# Allegro board SG2042_EVB_V1_1.brd (continued)
## Copper pours and planes (outline as drawn; the poured copper is in the pictures) (continued)
GND on ART03 (solid shape): 156.13,77.52 156.13,75.71 156.16,75.58 156.23,75.47 161.99,69.71 161.99,68.78 162.02,68.65 162.09,68.54 183.85,46.78 183.96,46.7 184.09,46.68 194.35,46.68 194.35,43.92 194.35,43.92 194.35,43.7 194.35,43.65 194.35,42.16 186.8,42.16 160.82,68.14 160.82,69.09 160.79,69.22 160.72,69.32 154.47,75.57 154.47,76.65 154.45,76.76 154.39,76.86 154.34,76.92 154.28,76.95 154.25,76.97 154.25,77.65 156.01,77.65
GND on ART03 (solid shape): 268.09,150.41 268.17,150.35 268.17,150.25 268.13,150.16 268.11,150.06 268.21,149.83 268.44,149.73 268.52,149.74 268.6,149.65 268.62,149.54 268.53,149.48 260.15,149.48 259.64,149.99 259.65,150.06 259.63,150.16 259.59,150.25 259.59,150.35 259.68,150.41
GND on ART03 (solid shape): 232.43,212.55 232.46,212.54 232.48,212.52 232.48,212.51 232.48,212.49 232.47,212.46 231.41,211.4 227.02,211.4 226.99,211.41 226.97,211.43 226.97,211.45 226.97,211.47 226.98,211.49 227.51,212.02 228.03,212.02 228.03,211.97 228.03,211.91 228.05,211.87 228.07,211.82 228.1,211.78 228.14,211.74 228.18,211.71 228.23,211.69 228.28,211.67 228.33,211.66 228.36,211.66 228.96,211.66 228.98,211.66 229.04,211.67 229.09,211.69 229.13,211.71 229.17,211.74 229.21,211.78 229.24,211.82 229.26,211.87 229.28,211.91 229.29,211.97 229.29,212.02 229.28,212.07 229.26,212.12 229.24,212.16 229.21,212.21 229.17,212.24 229.13,212.27 229.09,212.3 229.04,212.31 228.98,212.32 228.96,212.32 228.36,212.32 228.33,212.32 228.28,212.31 228.23,212.3 228.18,212.27 228.14,212.24 228.1,212.21 228.07,212.16 228.05,212.12 228.03,212.07 228.03,212.02 227.51,212.02 228.04,212.55
GND on ART03 (solid shape): 253.59,231.62 253.65,231.58 253.72,231.57 255.12,231.57 255.21,231.51 255.19,231.4 255.12,231.29 255.09,231.17 255.1,231.09 254.94,230.94 253.62,230.94 252.7,231.85 252.65,231.89 252.58,231.9 242.88,231.9 242.78,231.96 242.8,232.08 242.9,232.31 242.8,232.54 242.78,232.65 242.88,232.71 252.5,232.71
GND on ART03 (solid shape): 228.34,194.51 228.33,194.44 228.35,194.31 228.42,194.2 228.45,194.09 228.35,194.03 226.29,194.03 225.75,194.56 225.7,194.6 225.63,194.62 222.77,194.62 222.65,194.73 222.5,194.77 222.26,194.67 222.16,194.44 222.2,194.3 222.28,194.18 222.31,194.07 222.22,194.01 213.65,194.01 213.55,194.07 213.58,194.18 213.67,194.3 213.7,194.44 213.69,194.51 214.08,194.89 227.95,194.89
GND on ART03 (solid shape): 212.46,218.49 212.55,218.43 212.53,218.32 212.25,218.03 211.03,218.03 211.02,218.07 210.9,218.26 210.69,218.34 210.46,218.24 210.36,218.01 210.37,217.94 210.39,217.87 210.39,217.81 210.28,217.81 210.15,217.94 210.16,218.01 209.83,218.34 209.5,218.01 209.52,217.88 209.59,217.78 209.62,217.66 209.52,217.6 201.9,217.6 201.83,217.59 201.77,217.55 200.36,216.14 200.25,216.11 200.18,216.2 200.11,216.38 199.94,216.49 199.9,216.5 199.9,216.59 200.27,216.59 200.34,216.6 200.4,216.64 202.25,218.49
GND on ART03 (solid shape): outline of 146 points within 213.65,185.46 228.45,187.22
GND on ART03 (solid shape): 113.29,217.72 113.31,217.61 113.21,217.55 105.05,217.55 104.99,217.54 104.93,217.5 104.68,217.25 104.59,217.22 104.52,217.28 104.39,217.42 104.22,217.48 101.93,217.48 101.82,217.46 101.72,217.4 95.95,217.4 95.86,217.45 95.86,217.54 95.88,217.61 95.89,217.68 95.79,217.91 95.55,218.01 94.69,218.01 94.46,217.91 94.36,217.68 94.37,217.61 94.39,217.54 94.38,217.45 94.3,217.4 93.12,217.4 92.61,217.91 92.53,217.96 92.43,217.98 83.2,217.98 83.1,217.96 83.02,217.91 82.56,217.45 82.54,217.45 82.34,217.34 82.26,217.12 82.27,217.03 82.31,216.94 82.31,216.84 82.22,216.79 80.6,216.79 80.5,216.85 80.52,216.96 81.92,218.36 93.98,218.36 94.05,218.38 94.11,218.42 94.2,218.51 94.3,218.53 94.37,218.46 94.49,218.28 94.69,218.21 95.55,218.21 95.79,218.31 95.89,218.54 95.87,218.66 95.81,218.75 95.79,218.86 95.88,218.92 112.09,218.92
GND on ART03 (solid shape): outline of 213 points within 216,173.74 228.18,180.14
GND on ART03 (solid shape): outline of 275 points within 244.85,212.24 279.88,217.3
GND on ART03 (solid shape): outline of 108 points within 224.93,212.24 283.73,222.07
GND on ART03 (solid shape): outline of 145 points within 168.88,215.42 211.05,223.09
GND on ART03 (solid shape): outline of 948 points within 256.67,138.46 277.8,152.53
GND on ART03 (solid shape): outline of 107139 points within 0.41,0.41 304.39,243.43
GND on GND04 (solid shape): outline of 228285 points within 0.41,0.41 304.39,243.43
GND on ART05 (solid shape): outline of 2949 points within 125.65,49.1 149.68,93.85
GND on ART05 (solid shape): outline of 116691 points within 0.41,0.41 304.39,243.43
GND on GND06 (solid shape): outline of 228009 points within 0.41,0.41 304.39,243.43
GND on PWR07 (solid shape): 48.82,170.2 48.88,170.29 48.99,170.27 52.44,166.83 59.13,166.83 59.13,157.71 48.99,147.57 48.88,147.55 48.82,147.64
GND on PWR07 (solid shape): outline of 92031 points within 0.41,0.41 304.39,243.43
GND on PWR08 (solid shape): 48.82,170.2 48.88,170.29 48.99,170.27 52.44,166.83 59.13,166.83 59.13,157.71 48.99,147.57 48.88,147.55 48.82,147.64
GND on PWR08 (solid shape): outline of 688 points within 121.33,107.51 125.18,125.35
GND on PWR08 (solid shape): outline of 718 points within 150.77,107.51 154.62,125.35
GND on PWR08 (solid shape): outline of 1070 points within 121.27,87.04 125.12,107.51
GND on PWR08 (solid shape): outline of 3518 points within 150.27,77.29 166.88,108.53
GND on PWR08 (solid shape): outline of 14079 points within 50.38,126.94 225.47,191.87
GND on PWR08 (solid shape): outline of 76057 points within 0.41,0.41 304.39,243.43
GND on GND09 (solid shape): outline of 228327 points within 0.41,0.41 304.39,243.43
GND on ART10 (solid shape): 243.86,125.45 243.8,125.36 243.69,125.38 243.05,126.02 243.05,193.23 243.53,193.71 243.86,193.71
GND on ART10 (solid shape): 58.57,83.78 58.64,83.87 58.75,83.85 59.77,82.83 59.77,79.22 59.23,78.69 59.2,78.63 59.18,78.56 59.18,76.32 58.99,76.13 58.57,76.13
GND on ART10 (solid shape): 132.18,139.36 132.18,138.71 132.11,138.62 132,138.64 117.82,152.82 117.8,152.93 117.9,152.99 118.55,152.99
GND on ART10 (solid shape): 174.07,164.59 174.16,164.53 174.14,164.42 172.64,162.92 163.27,162.92 163.18,162.98 163.2,163.09 164.7,164.59
GND on ART10 (solid shape): 133.43,140.99 133.43,139.38 133.4,139.34 133.34,139.35 133.3,139.39 133.3,139.4 119.16,153.53 119.14,153.64 119.23,153.71 120.72,153.71
GND on ART10 (solid shape): 134.68,50.47 134.78,50.41 134.75,50.3 132.34,47.88 131.84,47.88 131.75,47.94 131.77,48.05 133.47,49.76 133.48,49.76 134.19,50.47
GND on ART10 (solid shape): 246.72,211.39 246.76,211.31 246.76,202.18 246.7,202.08 246.59,202.1 246.25,202.44 246.25,211.18 246.49,211.41 246.6,211.41 246.64,211.41
GND on ART10 (solid shape): 197.84,196.93 197.96,196.95 198.02,196.86 198.02,190.63 197.97,190.54 197.87,190.54 197.79,190.57 197.71,190.58 197.64,190.57 197.43,190.78 197.43,196.52
GND on ART10 (solid shape): 250.14,223.44 250.2,223.35 250.2,201.33 250.13,201.23 250.02,201.26 249.28,202 249.28,222.89 249.73,223.34 249.81,223.34 249.93,223.36 250.03,223.42
GND on ART10 (solid shape): 136.88,50.06 136.92,50.03 136.91,49.98 136.27,49.33 134.97,49.33 134.9,49.32 134.84,49.28 132.98,47.42 132.63,47.42 132.53,47.48 132.56,47.6 134.72,49.76 135.02,50.06
GND on ART10 (solid shape): 245.49,221.13 245.49,216.97 245.42,216.87 245.31,216.9 245.2,216.99 245.06,217.02 244.45,217.02 244.41,217.02 244.37,217.01 244.29,217.03 244.25,217.11 244.25,222.1 244.53,222.1
GND on ART10 (solid shape): 145.57,50.54 145.59,50.43 145.49,50.37 141.48,50.37 141.18,50.67 141.12,50.71 141.05,50.72 140.74,50.72 140.67,50.71 140.61,50.67 140.36,50.42 140.2,50.42 140.1,50.48 140.13,50.59 140.49,50.95 145.16,50.95
GND on ART10 (solid shape): 224.21,81.64 224.32,81.66 224.38,81.57 224.38,78.69 223.78,78.08 223.74,78.02 223.72,77.95 223.72,75.71 222.32,74.31 222.21,74.29 222.15,74.38 222.14,74.47 223.06,75.39 223.1,75.45 223.11,75.52 223.11,80.55
GND on ART10 (solid shape): 242.75,216.06 242.81,216.16 242.92,216.13 243.86,215.19 243.86,204.91 243.82,204.83 243.73,204.81 243.69,204.82 243.64,204.83 243.4,204.73 243.31,204.5 243.31,204.42 242.92,204.03 242.81,204.01 242.75,204.1
GND on ART10 (solid shape): 255.56,159.58 255.62,159.59 255.65,159.54 255.65,145.63 255.59,145.54 255.48,145.56 254.99,146.05 254.99,159.04 255.03,159.12 255.12,159.14 255.15,159.13 255.19,159.13 255.43,159.23 255.52,159.46 255.52,159.53
GND on ART10 (solid shape): 47.57,194.92 47.65,195.02 47.76,194.98 48.08,194.67 48.51,194.56 48.86,194.63 49.15,194.83 49.26,194.86 49.33,194.76 49.33,189.6 49.04,189.32 48.93,189.29 48.87,189.39 48.87,193.46 48.86,193.53 48.82,193.59 47.57,194.83
GND on ART10 (solid shape): 207.42,211.43 207.53,211.45 207.59,211.36 207.59,201.63 207.61,201.57 207.65,201.51 208.79,200.37 208.79,199.33 208.75,199.25 208.66,199.23 208.62,199.24 208.58,199.24 207.82,199.24 207.82,199.64 207.81,199.71 207.77,199.77 207.59,199.95 207.59,200.03 207.5,200.26 207.26,200.36 207.22,200.35 207.19,200.35 207.1,200.37 207.06,200.45 207.06,211.07
GND on ART10 (solid shape): 149.94,44.11 150.03,44.08 151.32,42.79 151.66,42.44 151.66,39.91 151.68,39.84 151.72,39.78 153.63,37.87 153.66,37.78 153.57,37.65 153.51,37.63 153.19,37.63 150.17,40.66 150.17,42.39 150.18,42.43 150.45,42.54 150.55,42.77 150.45,43.01 150.22,43.1 149.76,43.1 149.76,43.94 149.82,43.99 149.87,44.06
GND on ART10 (solid shape): 53.19,187.92 53.28,187.89 55.45,185.72 55.45,183.93 55.41,183.85 55.32,183.83 55.27,183.84 55.22,183.85 54.99,183.75 54.89,183.51 54.93,183.36 55.04,183.24 55.04,182.61 54.98,182.52 54.87,182.54 52.63,184.78 52.63,187.62 52.67,187.7 52.75,187.71 52.79,187.71 52.83,187.71 53,187.75 53.12,187.87
GND on ART10 (solid shape): 249.29,174.4 249.36,174.49 249.47,174.47 252.24,171.7 252.26,171.59 252.17,171.53 251.49,171.53 251.25,171.43 251.15,171.2 251.15,170.66 249.76,170.66 249.43,170.33 249.76,170 249.83,170.01 251.89,167.95 251.89,167.44 251.83,167.34 251.72,167.37 249.29,169.79
GND on ART10 (solid shape): 286.87,163.55 286.93,163.64 287.04,163.62 287.78,162.88 287.78,155.81 287.72,155.72 287.61,155.74 286.87,156.48 286.87,156.92 286.93,157.01 287.04,156.99 287.15,156.92 287.27,156.9 287.6,157.23 287.27,157.56 287.15,157.53 287.04,157.46 286.93,157.44 286.87,157.53
GND on ART10 (solid shape): 152.02,42.42 152.08,42.51 152.19,42.49 153.59,41.09 153.59,39.5 153.61,39.43 153.65,39.37 154.8,38.21 154.82,38.1 154.73,38.04 153.96,38.04 152.02,39.98 152.02,40.07 152.06,40.16 152.15,40.17 152.2,40.16 152.25,40.16 152.58,40.49 152.25,40.82 152.2,40.81 152.15,40.8 152.06,40.82 152.02,40.9
GND on ART10 (solid shape): 283.82,155.9 283.82,155.92 283.83,155.95 283.85,155.97 283.87,155.99 283.9,156 283.93,156.01 283.96,156 283.98,155.99 283.99,155.98 284.91,155.06 284.91,149.51 284.91,149.49 284.92,149.45 284.93,149.42 284.95,149.39 284.96,149.38 285.44,148.9 285.44,141.74 285.45,141.72 285.45,141.69 285.47,141.66 285.48,141.63 285.5,141.62 287.43,139.69 287.43,118.37 287.43,118.36 287.42,118.33 287.4,118.31 287.38,118.29 287.35,118.27 287.32,118.27 287.29,118.28 287.26,118.29 287.25,118.3 283.82,121.73 283.82,135.1 286.27,135.1 286.27,135.05 286.27,135 286.29,134.95 286.31,134.9 286.34,134.86 286.38,134.82 286.42,134.79 286.47,134.77 286.52,134.75 286.57,134.74 286.62,134.74 286.67,134.75 286.72,134.77 286.77,134.79 286.81,134.82 286.85,134.86 286.88,134.9 286.9,134.95 286.92,135 286.93,135.05 286.93,135.1 286.92,135.15 286.9,135.2 286.88,135.25 286.85,135.29 286.81,135.32 286.77,135.36 286.72,135.38 286.67,135.4 286.62,135.4 286.57,135.4 286.52,135.4 286.47,135.38 286.42,135.36 286.38,135.32 286.34,135.29 286.31,135.25 286.29,135.2 286.27,135.15 286.27,135.1 283.82,135.1
GND on ART10 (solid shape): 282.55,194.47 282.6,194.56 282.69,194.57 282.76,194.55 282.83,194.54 282.9,194.54 283.69,193.75 283.69,190.06 283.65,189.98 283.55,189.97 283.49,189.99 283.42,190 283.09,189.67 283.42,189.34 283.49,189.34 283.55,189.36 283.65,189.35 283.69,189.27 283.69,188.76 283.65,188.68 283.55,188.67 283.49,188.69 283.42,188.7 283.35,188.69 282.55,189.49
GND on ART10 (solid shape): 197.03,190.56 197.06,190.6 197.11,190.59 197.39,190.32 197.38,190.25 197.48,190.01 197.71,189.92 197.79,189.93 197.87,189.95 197.97,189.95 198.02,189.86 198.02,187.42 196.06,185.46 195.95,185.44 195.89,185.54 195.89,187.51 196.59,188.22 196.63,188.27 196.65,188.34 196.65,189.83 196.69,189.91 196.77,189.92 196.81,189.92 196.85,189.92 197.08,190.01 197.18,190.25 197.15,190.39 197.05,190.51 197.03,190.53
GND on ART10 (solid shape): 207,192.62 207.03,192.54 207.03,188.29 206.31,187.57 206.23,187.54 206.15,187.59 206.03,187.71 205.87,187.76 205.63,187.66 205.54,187.43 205.58,187.26 205.7,187.14 205.75,187.06 205.73,186.98 203.72,184.98 203.64,184.95 203.56,185 203.51,185.07 203.44,185.12 203.11,185.46 206.58,188.93 206.62,188.98 206.63,189.05 206.63,192.54 206.67,192.62 206.75,192.64 206.79,192.64 206.83,192.63 206.87,192.64 206.91,192.64
GND on ART10 (solid shape): 207.24,223.83 207.24,212.33 206.35,211.44 206.31,211.38 206.3,211.31 206.3,197.7 206.31,197.63 206.35,197.57 206.72,197.2 206.75,197.11 206.7,197.04 206.57,196.92 206.53,196.75 206.62,196.51 206.86,196.42 206.93,196.42 207.03,196.32 207.03,195.11 207,195.03 206.91,195.01 206.87,195.02 206.83,195.02 206.6,194.92 206.5,194.69 206.51,194.62 206.29,194.41 206.18,194.38 206.12,194.48 206.12,214.7 206.42,215 206.46,215.06 206.48,215.13 206.48,224.36 206.71,224.36
GND on ART10 (solid shape): 54.59,198.54 54.63,198.45 54.63,196.44 54.59,196.36 54.49,196.35 54.43,196.37 54.36,196.38 54.03,196.05 54.36,195.72 54.43,195.72 54.49,195.75 54.59,195.74 54.63,195.65 54.63,195.43 54.05,194.84 53.94,194.82 53.87,194.91 53.87,197.06 53.91,197.14 54,197.16 54.04,197.16 54.08,197.15 54.41,197.49 54.08,197.82 54.04,197.81 54,197.81 53.91,197.83 53.87,197.91 53.87,198.52 54.36,198.52 54.43,198.52 54.49,198.55
GND on ART10 (solid shape): 16.79,175.29 16.9,175.31 16.97,175.22 16.97,156.93 16.93,156.85 16.84,156.84 16.79,156.85 16.75,156.85 16.42,156.52 16.75,156.19 16.79,156.19 16.84,156.2 16.93,156.18 16.97,156.1 16.97,155.63 16.93,155.55 16.84,155.54 16.79,155.55 16.75,155.55 16.42,155.22 16.75,154.89 16.79,154.89 16.84,154.9 16.93,154.88 16.97,154.8 16.97,154.33 16.93,154.25 16.84,154.24 16.79,154.25 16.75,154.25 16.23,154.25 16.23,174.73
GND on ART10 (solid shape): 244.63,196.8 244.69,196.9 244.8,196.87 247.07,194.61 247.07,181.19 247.02,181.1 246.93,181.09 246.89,181.1 246.84,181.1 246.62,181.02 246.51,180.82 246.5,180.77 246.05,180.77 246.05,180.82 245.94,181.02 245.72,181.1 245.59,181.08 245.49,181.01 245.38,180.98 245.31,181.08 245.31,182.4 245.65,182.73 245.72,182.73 245.95,183.29 245.39,183.06 245.4,182.99 245.01,182.6 244.97,182.54 244.96,182.47 244.96,178.2 244.97,178.13 245.01,178.07 245.56,177.52 245.59,177.41 245.49,177.34 244.63,177.34
GND on ART10 (solid shape): outline of 127 points within 285.67,140.96 287.38,155.3
GND on ART10 (solid shape): 288.95,149.1 289.01,149.2 289.12,149.17 289.41,148.89 289.41,142.73 289.42,142.66 289.46,142.6 289.99,142.07 289.99,141.24 290,141.17 290.04,141.12 290.78,140.38 290.78,118.47 290.72,118.38 290.61,118.4 289.81,119.19 289.81,136.61 289.85,136.69 289.94,136.71 289.99,136.7 290.03,136.69 290.36,137.02 290.03,137.35 289.99,137.35 289.94,137.34 289.85,137.36 289.81,137.44 289.81,140.61 289.8,140.67 289.76,140.73 288.95,141.54 288.95,141.68 289.01,141.77 289.12,141.75 289.23,141.68 289.36,141.66 289.69,141.99 289.36,142.32 289.23,142.29 289.12,142.22 289.01,142.2 288.95,142.29
GND on ART10 (solid shape): outline of 124 points within 153.07,38.45 156.13,42.26
GND on ART10 (solid shape): 209.96,195.97 210,196.06 210.1,196.07 210.17,196.04 210.24,196.04 210.31,196.04 212.14,194.21 212.14,189.12 212.1,189.04 212.02,189.02 211.98,189.03 211.94,189.03 211.61,188.7 211.94,188.37 211.98,188.37 212.02,188.38 212.1,188.36 212.14,188.28 212.14,186.96 212.08,186.87 211.97,186.89 211.32,187.54 211.29,187.64 211.37,187.71 211.58,187.82 211.66,188.04 211.56,188.27 211.33,188.37 211.11,188.29 211,188.08 210.93,188 210.83,188.03 210.43,188.42 210.47,188.46 210.54,188.57 210.57,188.7 210.47,188.93 210.24,189.03 210.17,189.02 210.1,189 210,189.01 209.96,189.09
GND on ART10 (solid shape): outline of 133 points within 278.99,121.86 283.26,150.47
GND on ART10 (solid shape): 256.26,151.85 256.32,151.95 256.43,151.92 256.95,151.41 256.95,151.33 257.04,151.1 257.28,151 257.32,151 257.35,151.01 257.44,150.99 257.48,150.91 257.48,150.52 257.35,150.39 257.28,150.39 257.04,149.83 257.61,150.06 257.6,150.14 257.65,150.18 257.76,150.21 257.82,150.11 257.82,144.51 257.73,144.41 257.64,144.34 257.59,144.26 257.51,144.2 257.42,144.23 256.01,145.64 256.01,149.57 256.07,149.66 256.18,149.64 256.95,148.87 256.95,148.79 257.51,148.56 257.28,149.12 257.2,149.12 256.26,150.06
GND on ART10 (solid shape): 18.78,152.62 18.88,152.39 19.11,152.29 19.17,152.29 19.22,152.31 19.31,152.29 19.35,152.21 19.35,151.08 19.31,150.99 19.22,150.98 19.17,150.99 19.11,151 18.78,150.67 19.11,150.34 19.17,150.34 19.22,150.36 19.31,150.34 19.35,150.26 19.35,138.12 11.43,130.2 11.32,130.17 11.25,130.27 11.25,131.74 16.67,137.16 16.75,137.19 16.83,137.14 16.94,137.05 17.08,137.01 17.17,136.94 17.15,136.83 15.44,135.12 15.37,135.13 15.13,134.56 15.7,134.8 15.69,134.87 18.01,137.19 18.05,137.24 18.06,137.31 18.06,152.65 18.78,152.65
GND on ART10 (solid shape): 248.89,169.16 248.95,169.25 249.06,169.23 251.48,166.81 251.48,156.1 251.45,156.02 251.36,156 251.32,156.01 251.28,156.01 251.05,155.91 250.95,155.68 250.95,155.63 250.96,155.59 250.96,153.23 250.95,153.18 250.95,153.14 250.95,153.09 250.96,153.05 250.96,150.69 250.95,150.64 250.95,150.6 250.95,150.55 250.96,150.51 250.96,148.15 250.95,148.1 250.95,148.06 250.95,148.01 250.96,147.97 250.96,145.61 250.95,145.56 250.95,145.52 250.95,145.47 250.96,145.43 250.96,143.07 250.95,143.02 250.95,142.98 250.95,142.93 250.96,142.89 250.96,134.12 249.91,133.07 249.85,132.96 249.82,132.84 249.82,131.42 249.85,131.3 249.91,131.19 250.99,130.12 251,130.11 251.12,129.99 251.28,129.95 251.41,129.97 251.52,130.04 251.63,130.06 251.69,129.97 251.69,129.72 251.63,129.63 251.52,129.65 251.41,129.72 251.28,129.74 250.95,129.41 251.28,129.08 251.35,129.09 251.48,128.96 251.48,119.27 251.42,119.17 251.31,119.2 248.89,121.62
GND on ART10 (solid shape): outline of 200 points within 237.13,183.94 238.73,191.64
GND on ART10 (solid shape): 53.34,191.93 53.4,192.03 53.51,192 55.02,190.5 55.05,190.39 54.95,190.32 54.86,190.32 54.53,189.99 54.86,189.66 55.02,189.7 55.14,189.82 55.16,189.84 55.32,189.84 55.74,189.42 55.77,189.34 55.72,189.26 55.59,189.14 55.55,188.98 55.65,188.74 55.88,188.65 56.05,188.69 56.17,188.81 56.24,188.86 56.33,188.84 58.75,186.42 58.75,183.12 58.71,183.04 58.62,183.02 58.59,183.03 58.55,183.03 58.51,183.03 58.47,183.02 58.38,183.04 58.34,183.12 58.34,185.27 58.33,185.34 58.29,185.39 56.4,187.28 56.37,187.37 56.42,187.44 56.55,187.56 56.59,187.73 56.49,187.97 56.26,188.06 56.09,188.02 55.97,187.89 55.9,187.84 55.81,187.87 55.16,188.53 55.13,188.61 55.18,188.69 55.3,188.81 55.35,188.98 55.25,189.21 55.02,189.31 54.85,189.26 54.73,189.14 54.65,189.09 54.57,189.12 54.14,189.54 54.11,189.63 54.16,189.7 54.29,189.83 54.33,189.99 54.23,190.23 54,190.32 53.83,190.28 53.71,190.16 53.64,190.1 53.55,190.13 53.34,190.35
GND on ART10 (solid shape): outline of 98 points within 284.43,156.18 291.64,202.08
GND on ART10 (solid shape): outline of 394 points within 18.47,138.21 38.56,197.09
GND on ART10 (solid shape): outline of 816 points within 286.97,169.44 294.69,199.59
GND on ART10 (solid shape): outline of 1062 points within 244.63,121.75 248.33,176.7
GND on ART10 (solid shape): outline of 2221 points within 249.43,126.03 278.23,198.39
GND on ART10 (solid shape): outline of 18204 points within 109.3,76.83 166.65,126.82
GND on ART10 (solid shape): outline of 122047 points within 0.41,0.41 304.39,243.43
GND on GND11 (solid shape): outline of 224731 points within 0.41,0.41 304.39,243.43
GND_EARTH on TOP (solid shape): outline of 1523 points within 14.48,219.23 34.54,243.43
GND_EARTH on BOTTOM (solid shape): outline of 1439 points within 14.48,219.23 34.54,243.43
GND_EARTH on GND02 (solid shape): outline of 1559 points within 14.48,219.23 34.54,243.43
GND_EARTH on ART03 (solid shape): outline of 1561 points within 14.48,219.23 34.54,243.43
GND_EARTH on GND04 (solid shape): outline of 1597 points within 14.48,219.23 34.54,243.43
GND_EARTH on ART05 (solid shape): outline of 1597 points within 14.48,219.23 34.54,243.43
GND_EARTH on GND06 (solid shape): outline of 1597 points within 14.48,219.23 34.54,243.43
GND_EARTH on PWR07 (solid shape): outline of 1597 points within 14.48,219.23 34.54,243.43
GND_EARTH on PWR08 (solid shape): outline of 1597 points within 14.48,219.23 34.54,243.43
GND_EARTH on GND09 (solid shape): outline of 1597 points within 14.48,219.23 34.54,243.43
GND_EARTH on ART10 (solid shape): outline of 1540 points within 14.48,219.23 34.54,243.43
GND_EARTH on GND11 (solid shape): outline of 1561 points within 14.48,219.23 34.54,243.43
VBUS1 on ART03 (solid shape): 282.49,235.03 282.49,235 282.59,234.78 282.82,234.7 283.03,234.77 283.15,234.97 283.15,235.03 283.98,235.03 283.99,234.97 284.32,234.7 284.65,234.97 284.65,235.03 287.12,235.03 287.3,234.85 287.3,233.07 287.12,232.89 285.42,232.89 285.42,232.95 285.09,233.22 284.76,232.95 284.75,232.89 284.15,232.89 284.15,232.95 283.82,233.22 283.49,232.95 283.48,232.89 282.88,232.89 282.88,232.95 282.55,233.22 282.22,232.95 282.21,232.89 280.42,232.89 280.24,233.07 280.24,235.58 280.42,235.76 281.75,235.76
VBUS2 on ART03 (solid shape): 271.39,235.03 271.39,235 271.49,234.78 271.72,234.7 271.93,234.77 272.05,234.97 272.05,235.03 272.88,235.03 272.89,234.97 273.22,234.7 273.55,234.97 273.55,235.03 276.02,235.03 276.2,234.85 276.2,233.07 276.02,232.89 274.32,232.89 274.32,232.95 273.99,233.22 273.66,232.95 273.65,232.89 273.05,232.89 273.05,232.95 272.72,233.22 272.39,232.95 272.38,232.89 271.78,232.89 271.78,232.95 271.45,233.22 271.12,232.95 271.11,232.89 269.32,232.89 269.14,233.07 269.14,235.58 269.32,235.76 270.65,235.76
VBUS3 on ART03 (solid shape): 260.29,235.03 260.29,235 260.39,234.78 260.62,234.7 260.83,234.77 260.95,234.97 260.96,235.03 261.79,235.03 261.79,234.97 262.12,234.7 262.45,234.97 262.46,235.03 264.92,235.03 265.1,234.85 265.1,233.07 264.92,232.89 263.23,232.89 263.22,232.95 262.89,233.22 262.56,232.95 262.55,232.89 261.96,232.89 261.95,232.95 261.62,233.22 261.29,232.95 261.28,232.89 260.69,232.89 260.68,232.95 260.35,233.22 260.02,232.95 260.01,232.89 258.22,232.89 258.04,233.07 258.04,235.58 258.22,235.76 259.55,235.76
VDD_3V3 on BOTTOM (solid shape): 92.56,214.91 85.69,214.91 84.25,216.35 84.25,218.32 92.56,218.32
VDD_3V3 on ART05 (solid shape): outline of 9725 points within 288.42,15.72 301.96,227.84
VDD_3V3 on ART05 (solid shape): outline of 16475 points within 51.94,44.65 234.59,217.35
VDD_12V on TOP (solid shape): 52.65,76.31 53.4,76.31 53.4,75.21 53.7,75.21 53.7,75.06 53.8,75.06 53.8,74.78 53.26,74.78 53.26,74.96 52.37,74.96 52.37,75.79 52.2,75.79 52.2,76.2 51.03,76.2 51.03,78.52 52.65,78.52
VDD_12V on TOP (solid shape): 100.18,201.63 101.07,201.63 101.07,200.79 101.24,200.79 101.24,200.38 102.41,200.38 102.41,198.06 100.79,198.06 100.79,200.27 100.04,200.27 100.04,201.37 99.74,201.37 99.74,201.52 99.64,201.52 99.64,201.8 100.18,201.8
VDD_12V on TOP (solid shape): 110.24,201.63 111.12,201.63 111.12,200.79 111.3,200.79 111.3,200.38 112.47,200.38 112.47,198.06 110.85,198.06 110.85,200.27 110.1,200.27 110.1,201.37 109.8,201.37 109.8,201.52 109.7,201.52 109.7,201.8 110.24,201.8
VDD_12V on TOP (solid shape): 120.29,201.63 121.18,201.63 121.18,200.79 121.36,200.79 121.36,200.38 122.53,200.38 122.53,198.06 120.91,198.06 120.91,200.27 120.16,200.27 120.16,201.37 119.86,201.37 119.86,201.52 119.76,201.52 119.76,201.8 120.29,201.8
VDD_12V on TOP (solid shape): 122.58,16.27 123.33,16.27 123.33,15.17 123.62,15.17 123.62,15.01 123.73,15.01 123.73,14.73 123.19,14.73 123.19,14.91 122.3,14.91 122.3,15.75 122.12,15.75 122.12,16.15 120.95,16.15 120.95,18.47 122.58,18.47
VDD_12V on TOP (solid shape): 130.35,201.63 131.24,201.63 131.24,200.79 131.42,200.79 131.42,200.38 132.59,200.38 132.59,198.06 130.97,198.06 130.97,200.27 130.22,200.27 130.22,201.37 129.92,201.37 129.92,201.52 129.81,201.52 129.81,201.8 130.35,201.8
VDD_12V on TOP (solid shape): 140.41,201.63 141.3,201.63 141.3,200.79 141.48,200.79 141.48,200.38 142.65,200.38 142.65,198.06 141.03,198.06 141.03,200.27 140.28,200.27 140.28,201.37 139.98,201.37 139.98,201.52 139.87,201.52 139.87,201.8 140.41,201.8
VDD_12V on TOP (solid shape): 150.47,201.63 151.36,201.63 151.36,200.79 151.54,200.79 151.54,200.38 152.7,200.38 152.7,198.06 151.08,198.06 151.08,200.27 150.33,200.27 150.33,201.37 150.04,201.37 150.04,201.52 149.93,201.52 149.93,201.8 150.47,201.8
VDD_12V on TOP (solid shape): 160.53,201.63 161.42,201.63 161.42,200.79 161.59,200.79 161.59,200.38 162.76,200.38 162.76,198.06 161.14,198.06 161.14,200.27 160.39,200.27 160.39,201.37 160.09,201.37 160.09,201.52 159.99,201.52 159.99,201.8 160.53,201.8
VDD_12V on TOP (solid shape): 170.59,201.63 171.48,201.63 171.48,200.79 171.65,200.79 171.65,200.38 172.82,200.38 172.82,198.06 171.2,198.06 171.2,200.27 170.45,200.27 170.45,201.37 170.15,201.37 170.15,201.52 170.05,201.52 170.05,201.8 170.59,201.8
VDD_12V on TOP (solid shape): 180.64,201.63 181.53,201.63 181.53,200.79 181.71,200.79 181.71,200.38 182.88,200.38 182.88,198.06 181.26,198.06 181.26,200.27 180.51,200.27 180.51,201.37 180.21,201.37 180.21,201.52 180.11,201.52 180.11,201.8 180.64,201.8
VDD_12V on TOP (solid shape): 217.19,75.7 217.94,75.7 217.94,74.6 218.24,74.6 218.24,74.45 218.34,74.45 218.34,74.17 217.81,74.17 217.81,74.35 216.92,74.35 216.92,75.18 216.74,75.18 216.74,75.59 215.57,75.59 215.57,77.91 217.19,77.91
VDD_12V on TOP (solid shape): 111.79,213.84 111.79,211.89 111.73,211.74 111.58,211.68 107.47,211.68 107.32,211.74 107.26,211.89 107.26,214 107.75,214.48 111.15,214.48
VDD_12V on BOTTOM (solid shape): 56.18,77.83 53.19,74.83 52.02,74.83 52.02,78.28 54.25,78.28 54.25,79.4 56.18,79.4
VDD_12V on BOTTOM (solid shape): 101.42,198.3 99.19,198.3 99.19,197.18 97.26,197.18 97.26,198.75 100.2,201.7 101.42,201.7
VDD_12V on BOTTOM (solid shape): 111.48,198.3 109.25,198.3 109.25,197.18 107.31,197.18 107.31,198.75 110.26,201.7 111.48,201.7
VDD_12V on BOTTOM (solid shape): 121.54,198.3 119.3,198.3 119.3,197.18 117.37,197.18 117.37,198.75 120.32,201.7 121.54,201.7
VDD_12V on BOTTOM (solid shape): 126.11,17.78 123.16,14.83 121.95,14.83 121.95,18.24 124.18,18.24 124.18,19.35 126.11,19.35
VDD_12V on BOTTOM (solid shape): 131.6,198.3 129.36,198.3 129.36,197.18 127.43,197.18 127.43,198.75 130.38,201.7 131.6,201.7
VDD_12V on BOTTOM (solid shape): 141.66,198.3 139.42,198.3 139.42,197.18 137.49,197.18 137.49,198.75 140.44,201.7 141.66,201.7
VDD_12V on BOTTOM (solid shape): 151.71,198.3 149.48,198.3 149.48,197.18 147.55,197.18 147.55,198.75 150.5,201.7 151.71,201.7
VDD_12V on BOTTOM (solid shape): 161.77,198.3 159.54,198.3 159.54,197.18 157.61,197.18 157.61,198.75 160.55,201.7 161.77,201.7
VDD_12V on BOTTOM (solid shape): 171.83,198.3 169.6,198.3 169.6,197.18 167.67,197.18 167.67,198.75 170.61,201.7 171.83,201.7
VDD_12V on BOTTOM (solid shape): 181.89,198.3 179.65,198.3 179.65,197.18 177.72,197.18 177.72,198.75 180.67,201.7 181.89,201.7
VDD_12V on BOTTOM (solid shape): 220.73,77.22 217.73,74.22 216.56,74.22 216.56,77.67 218.8,77.67 218.8,78.79 220.73,78.79
VDD_12V on PWR07 (solid shape): outline of 33961 points within 40.11,13.89 235.69,213.08
VDD_12V on PWR08 (solid shape): outline of 33994 points within 40.11,13.89 235.69,213.08
VDD_EMMC_1V8 on ART05 (solid shape): outline of 1343 points within 126.21,49.66 134.68,93.85
VDD_EMMC_3V3 on ART05 (solid shape): outline of 750 points within 129.21,51.75 136.68,93.85
VDD_MCU on PWR07 (solid shape): outline of 2232 points within 248.11,181 268.91,204.11
VDD_PCIE0_12V on TOP (solid shape): 276.17,32.98 275.3,32.11 272.89,32.11 272.89,35 273.13,35.25 276.17,35.25
VDD_PCIE0_12V on TOP (solid shape): 291.73,26.72 286.61,26.72 285.68,27.66 285.68,32.4 285.68,35.23 291.73,35.23
VDD_PCIE1_12V on TOP (solid shape): 19.13,113.59 14.02,113.59 14.02,116.23 19.13,116.23
VDD_PCIE1_12V on TOP (solid shape): 34.78,113.59 28.65,113.59 28.65,115.21 29.67,116.23 29.67,122.1 34.78,122.1
VDD_PCIE2_12V on TOP (solid shape): 235.53,32.98 234.66,32.11 232.25,32.11 232.25,35 232.49,35.25 235.53,35.25
VDD_PCIE2_12V on TOP (solid shape): 251.09,26.72 245.97,26.72 245.04,27.66 245.04,32.4 245.04,35.23 251.09,35.23
VDD_PCIE_C_0V8 on ART03 (solid shape): outline of 1014 points within 124.27,88.44 152.19,90.29
VDD_PCIE_C_0V8 on PWR07 (solid shape): outline of 4524 points within 135.29,41.15 150.68,90.29
VDD_PCIE_C_0V8 on PWR08 (solid shape): outline of 4523 points within 135.29,41.15 150.68,90.29
VDD_PCIE_C_0V8 on ART10 (solid shape): outline of 1024 points within 124.27,88.44 152.19,90.29
VDD_PCIE_D_0V8 on TOP (solid shape): 135.89,45.69 136.03,45.64 136.09,45.49 136.09,43.61 133.17,43.61 133.17,44.91 133.38,44.91 133.38,45.24 133.83,45.24 134.12,45.19 134.39,45.3 134.53,45.47 134.59,45.69 134.59,45.69
VDD_PCIE_D_0V8 on ART03 (solid shape): outline of 1481 points within 125.27,90.44 151.68,93.85
VDD_PCIE_D_0V8 on PWR07 (solid shape): outline of 6440 points within 125.27,44.83 150.19,93.85
VDD_PCIE_D_0V8 on PWR08 (solid shape): outline of 8357 points within 121.83,44.83 150.19,93.85
VDD_PCIE_D_0V8 on ART10 (solid shape): outline of 2107 points within 125.27,90.44 151.68,93.85
VDD_PCIE_D_0V8_H on TOP (solid shape): 136.5,41.91 136.59,41.91 136.59,41.8 136.58,41.75 136.67,41.47 136.91,41.38 137.12,41.46 137.23,41.66 139.47,41.66 139.47,42.85 145.85,42.85 145.85,38.42 145.04,37.62 138.15,37.62 137.36,36.83 132.15,36.83 130.35,38.63 130.35,41.43 131.42,41.43 131.96,41.97 131.99,41.96 132.05,41.94 132.11,41.93 132.34,42.03 132.44,42.27 132.43,42.32 132.42,42.38 132.4,42.41 132.84,42.85 136.5,42.85
VDD_PCIE_D_0V8_H on BOTTOM (solid shape): 135.92,41.1 136.06,41.04 136.12,40.89 136.12,37.63 135.64,37.15 132.74,37.15 132.26,37.63 132.26,40.89 132.32,41.04 132.46,41.1
VDD_PCIE_H_1V8 on ART03 (solid shape): outline of 600 points within 124.27,87 152.68,88.29
VDD_PCIE_H_1V8 on PWR07 (solid shape): outline of 2286 points within 144.27,39.5 156.59,87.85
VDD_PCIE_H_1V8 on PWR08 (solid shape): outline of 2277 points within 144.27,39.5 156.59,87.85
VDD_PCIE_H_1V8 on ART10 (solid shape): outline of 678 points within 124.27,87 152.68,88.29
VDD_PCIE_H_1V8_H on BOTTOM (solid shape): 157.15,35.59 157.15,32.47 153.95,32.47 153.95,34.39 154.74,34.39 154.74,34.34 154.74,34.29 154.76,34.24 154.78,34.19 154.82,34.15 154.85,34.11 154.89,34.08 154.94,34.06 154.99,34.04 155.04,34.04 155.09,34.04 155.14,34.04 155.19,34.06 155.24,34.08 155.28,34.11 155.32,34.15 155.35,34.19 155.37,34.24 155.39,34.29 155.4,34.34 155.4,34.39 155.39,34.44 155.37,34.49 155.35,34.54 155.32,34.58 155.28,34.62 155.24,34.65 155.19,34.67 155.14,34.69 155.09,34.7 155.04,34.7 154.99,34.69 154.94,34.67 154.89,34.65 154.85,34.62 154.82,34.58 154.78,34.54 154.76,34.49 154.74,34.44 154.74,34.39 153.95,34.39 153.95,37.52 155.22,37.52
VDD_PLL_0V8 on BOTTOM (solid shape): 146.23,44.82 146.33,44.59 146.56,44.5 146.65,44.46 146.69,44.37 146.69,41.12 143.54,41.12 143.39,41.18 143.33,41.33 143.33,44.68 143.39,44.82 143.54,44.88 146.23,44.88
VDD_PLL_0V8 on ART05 (solid shape): outline of 794 points within 127.56,43.51 150.62,49.73
VDD_PLL_0V8 on ART05 (solid shape): outline of 897 points within 123.25,48.62 128.66,108.35
VDD_PLL_0V8 on ART05 (solid shape): outline of 865 points within 148.83,47.28 152.7,108.35
VDD_PLL_0V8_H on BOTTOM (solid shape): 148.59,38.84 148.59,35.4 145.42,35.4 145.42,40.36 147.07,40.36
VDD_RGMII_1V8 on ART05 (solid shape): outline of 1835 points within 118.73,44.26 127.67,88.87
VDD_VDRV on TOP (solid shape): 95.55,218.74 95.7,218.69 95.76,218.54 95.76,205.49 91.95,201.68 90.98,201.68 90.84,201.74 90.78,201.88 90.78,214.93 94.59,218.74
VDD_VDRV on BOTTOM (solid shape): 97.76,214.91 95.96,214.91 94.36,216.51 94.36,220.75 97.76,220.75
VDD_VDRV on ART05 (solid shape): outline of 15152 points within 90.78,193.47 185.27,204.16
VDDC on TOP (solid shape): 159.76,164.24 158.77,163.25 117.17,163.25 116.18,164.24 116.18,166.5 159.76,166.5
VDDC on ART03 (solid shape): outline of 45509 points within 116.33,91.44 159.62,164.54
VDDC on ART05 (solid shape): outline of 35448 points within 116.33,91.44 159.62,164.54
VDDC on PWR07 (solid shape): outline of 27674 points within 116.33,91.44 159.62,164.54
VDDC on PWR08 (solid shape): outline of 27712 points within 116.33,91.44 159.62,164.54
VDDC on ART10 (solid shape): outline of 15893 points within 125.27,94 150.68,124.85
VDDC_H on TOP (solid shape): 99.24,181.36 99.67,181.36 99.67,178.36 95.81,178.36 95.81,181.36 96.24,181.36 96.24,184.46 99.24,184.46
VDDC_H on TOP (solid shape): 109.3,181.36 109.73,181.36 109.73,178.36 105.87,178.36 105.87,181.36 106.3,181.36 106.3,184.46 109.3,184.46
VDDC_H on TOP (solid shape): 119.36,181.36 119.79,181.36 119.79,178.36 115.93,178.36 115.93,181.36 116.36,181.36 116.36,184.46 119.36,184.46
VDDC_H on TOP (solid shape): 129.41,181.36 129.84,181.36 129.84,178.36 125.98,178.36 125.98,181.36 126.41,181.36 126.41,184.46 129.41,184.46
VDDC_H on TOP (solid shape): 139.47,181.36 139.9,181.36 139.9,178.36 136.04,178.36 136.04,181.36 136.47,181.36 136.47,184.46 139.47,184.46
VDDC_H on TOP (solid shape): 149.53,181.36 149.96,181.36 149.96,178.36 146.1,178.36 146.1,181.36 146.53,181.36 146.53,184.46 149.53,184.46
VDDC_H on TOP (solid shape): 159.59,181.36 160.02,181.36 160.02,178.36 156.16,178.36 156.16,181.36 156.59,181.36 156.59,184.46 159.59,184.46
VDDC_H on TOP (solid shape): 169.65,181.36 170.08,181.36 170.08,178.36 166.22,178.36 166.22,181.36 166.65,181.36 166.65,184.46 169.65,184.46
VDDC_H on TOP (solid shape): 179.71,181.36 180.14,181.36 180.14,178.36 176.28,178.36 176.28,181.36 176.71,181.36 176.71,184.46 179.71,184.46
VDDC_H on TOP (solid shape): 119.99,173.48 123.04,173.48 123.04,173.41 130.96,173.41 130.96,173.48 134.01,173.48 134.01,176.45 141.93,176.45 141.93,173.48 144.98,173.48 144.98,173.41 152.91,173.41 152.91,173.48 155.96,173.48 155.96,176.45 160.99,176.45 160.99,170.98 159.9,169.9 116.04,169.9 112.38,173.56 112.38,176.45 119.99,176.45
VDDC_H on BOTTOM (solid shape): outline of 1847 points within 93.78,171.83 182.17,183.32
VDDC_H on ART03 (solid shape): outline of 1762 points within 96.62,171.86 179.32,180.75
VDDC_H on ART05 (solid shape): outline of 1835 points within 96.62,171.86 179.32,180.75
VDDC_H on PWR07 (solid shape): outline of 1835 points within 96.62,171.86 179.32,180.75
VDDC_H on PWR08 (solid shape): outline of 1835 points within 96.62,171.86 179.32,180.75
VDDC_H on ART10 (solid shape): outline of 1834 points within 96.62,171.86 179.32,180.75
VDDIO18 on TOP (solid shape): 159.64,34.04 157.91,34.04 157.91,36.47 159.64,36.47
VDDIO18 on BOTTOM (solid shape): 174.88,27.46 227.38,27.46 234.59,20.24 234.59,18.31 234.53,18.17 234.39,18.11 227.74,18.11 224.74,21.11 172.24,21.11 160.34,33 160.38,33.04 160.45,33.15 160.48,33.27 160.38,33.51 160.15,33.6 160.02,33.58 159.91,33.51 159.87,33.47 159.03,34.32 159.03,35.33 162.51,38.81 163.53,38.81
VDDIO18 on ART03 (solid shape): outline of 1635 points within 119.75,34.26 163.72,53.49
VDDIO18 on ART05 (solid shape): outline of 677 points within 131.21,52.05 137.68,93.37
VDDIO18 on ART05 (solid shape): outline of 4850 points within 150.41,44.06 156.62,110.35
VDDIO18 on ART05 (solid shape): outline of 4984 points within 233.25,17.6 287.55,224.66
VDDIO18 on ART05 (solid shape): outline of 9523 points within 113.33,41.43 125.12,110.35
VDDIO18 on ART10 (solid shape): outline of 568 points within 212.09,203.61 216.48,210.44
VDDIO18_H on TOP (solid shape): 157.15,36.91 157.15,32.47 153.95,32.47 153.95,35.61 154.74,35.61 154.74,35.56 154.74,35.51 154.76,35.46 154.78,35.41 154.82,35.37 154.85,35.33 154.89,35.3 154.94,35.28 154.99,35.26 155.04,35.26 155.09,35.26 155.14,35.26 155.19,35.28 155.24,35.3 155.28,35.33 155.32,35.37 155.35,35.41 155.37,35.46 155.39,35.51 155.4,35.56 155.4,35.61 155.39,35.66 155.37,35.71 155.35,35.76 155.32,35.8 155.28,35.84 155.24,35.87 155.19,35.89 155.14,35.91 155.09,35.92 155.04,35.92 154.99,35.91 154.94,35.89 154.89,35.87 154.85,35.84 154.82,35.8 154.78,35.76 154.76,35.71 154.74,35.66 154.74,35.61 153.95,35.61 153.95,37.54 156.51,37.54
VDDIO33 on TOP (solid shape): 145.29,219.28 145.23,219.13 145.08,219.07 139.09,219.07 138.95,219.13 138.89,219.28 138.89,220.65 139.24,221.01 145.29,221.01
VDDIO33 on BOTTOM (solid shape): outline of 1759 points within 138.89,216.18 223.8,231.27
VDDIO_FPLL on ART05 (solid shape): outline of 764 points within 140.27,51.74 144.73,93.85
VDDIO_MPLL on ART05 (solid shape): outline of 719 points within 139.27,51.74 142.73,93.85
DDR01_VDDQ_1V2 on PWR08 (solid shape): outline of 29982 points within 151.77,85.5 229.34,126.79
DDR01_VDDQ_1V2_DIMM on TOP (solid shape): outline of 3428 points within 194.84,105.59 215.57,121.02
DDR01_VDDQ_1V2_DIMM on TOP (solid shape): outline of 3578 points within 194.84,85.32 215.14,99.16
DDR01_VDDQ_1V2_DIMM on PWR07 (solid shape): outline of 9796 points within 194.08,86.17 215.87,121.02
DDR01_VDDQ_1V2_H on TOP (solid shape): 222.28,98.58 222.28,94.87 218.21,94.87 218.21,98.43 218.95,99.16 221.69,99.16
DDR01_VDDQ_1V2_H on TOP (solid shape): 222.28,93.41 221.74,93.41 221.74,90.31 218.74,90.31 218.74,93.41 218.21,93.41 218.21,95.2 222.28,95.2
DDR01_VDDQ_1V2_H on BOTTOM (solid shape): 223.77,94.79 223.86,94.57 224.17,94.42 224.21,94.34 224.21,91.45 216.28,91.45 216.28,94.34 216.32,94.42 216.62,94.57 216.71,94.79 216.71,95.2 223.77,95.2
DDR01_VDDQ_1V2_H on BOTTOM (solid shape): 224.21,99.26 224.21,96.44 224.18,96.37 224.1,96.34 223.77,96.01 224.1,95.68 224.18,95.65 224.21,95.58 224.21,95.23 224.18,95.15 224.1,95.12 223.77,94.79 224.1,94.46 224.18,94.43 224.21,94.36 224.21,91.45 216.28,91.45 216.28,94.36 216.31,94.43 216.38,94.46 216.71,94.79 216.38,95.12 216.31,95.15 216.28,95.23 216.28,98 218.08,99.79 223.67,99.79
DDR01_VPP_2V5 on TOP (solid shape): outline of 766 points within 194.16,38.6 218.62,47.83
DDR01_VPP_2V5 on ART03 (solid shape): outline of 1060 points within 194.84,42.69 217.65,46.35
DDR01_VPP_2V5_H on TOP (solid shape): 219.02,51.33 219.02,48.59 216.26,48.59 214.71,50.14 214.71,51.33 214.71,53.49 219.02,53.49
DDR01_VTT_0V6 on TOP (solid shape): 218.9,106.15 221.84,106.15 221.84,104.51 220.05,102.72 218.9,102.72 216.36,102.72 215.77,102.72 213.23,102.72 212.93,102.41 212.32,102.41 212.32,102.41 211.2,102.41 211.2,102.41 202.92,102.41 202.92,102.41 201.8,102.41 201.8,102.41 195.93,102.41 194.13,104.21 194.13,105 194.25,105 194.32,104.97 194.35,104.89 194.35,104.87 194.96,104.26 195.57,104.87 195.53,105.09 195.42,105.27 195.41,105.38 195.5,105.44 196.02,105.44 196.56,105.11 197.11,105.44 198.23,105.44 198.32,105.38 198.3,105.27 198.19,105.09 198.15,104.87 198.76,104.26 199.37,104.87 199.33,105.09 199.22,105.27 199.21,105.38 199.3,105.44 199.82,105.44 200.36,105.11 200.91,105.44 203.83,105.44 203.92,105.38 203.9,105.27 203.79,105.09 203.75,104.87 204.36,104.26 204.97,104.87 204.93,105.09 204.82,105.27 204.8,105.38 204.9,105.44 205.42,105.44 205.96,105.11 206.5,105.44 207.63,105.44 207.72,105.38 207.7,105.27 207.59,105.09 207.55,104.87 208.16,104.26 208.77,104.87 208.73,105.09 208.62,105.27 208.6,105.38 208.7,105.44 209.22,105.44 209.76,105.11 210.3,105.44 212.53,105.44 213.23,106.15 215.77,106.15 216.36,106.15
DDR23_VDDQ_1V2 on BOTTOM (solid shape): 48.57,107.44 48.71,107.38 48.77,107.24 48.77,97 46.97,97 46.37,97.61 46.37,107.24 46.43,107.38 46.57,107.44
DDR23_VDDQ_1V2 on PWR08 (solid shape): outline of 30461 points within 46.51,85.5 124.18,126.79
DDR23_VDDQ_1V2_DIMM on TOP (solid shape): outline of 3029 points within 60.83,105.59 81.11,120.41
DDR23_VDDQ_1V2_DIMM on TOP (solid shape): outline of 3185 points within 60.83,85.93 81.11,99.77
DDR23_VDDQ_1V2_DIMM on PWR07 (solid shape): outline of 10028 points within 60.55,85.32 81.81,121.02
DDR23_VDDQ_1V2_H on TOP (solid shape): 57.73,95.78 53.67,95.78 53.67,99.05 54.39,99.77 57.73,99.77
DDR23_VDDQ_1V2_H on TOP (solid shape): 57.73,94.02 57.2,94.02 57.2,90.92 54.2,90.92 54.2,94.02 53.67,94.02 53.67,95.81 57.73,95.81
DDR23_VDDQ_1V2_H on BOTTOM (solid shape): 59.23,95.4 59.32,95.18 59.63,95.03 59.66,94.95 59.66,92.06 51.74,92.06 51.74,94.95 51.77,95.03 52.08,95.18 52.17,95.4 52.17,95.81 59.23,95.81
DDR23_VDDQ_1V2_H on BOTTOM (solid shape): 59.66,98.61 59.66,95.83 59.63,95.76 59.56,95.73 59.23,95.4 59.56,95.07 59.63,95.04 59.66,94.97 59.66,94.63 56.62,94.63 56.62,92.06 54.79,92.06 54.79,94.63 51.74,94.63 51.74,94.97 51.77,95.04 51.84,95.07 52.17,95.4 51.84,95.73 51.77,95.76 51.74,95.83 51.74,96.19 51.77,96.26 51.84,96.29 52.17,96.62 51.84,96.95 51.77,96.98 51.74,97.05 51.74,100.4 52.17,100.4 52.17,100.41 57.87,100.41
DDR23_VPP_2V5 on TOP (solid shape): outline of 878 points within 56.46,38.6 81.79,47.73
DDR23_VPP_2V5 on ART03 (solid shape): outline of 1071 points within 58.6,40.69 81.11,46.35
DDR23_VPP_2V5_H on TOP (solid shape): 59.26,51.23 59.26,49.21 58.54,48.49 55.66,48.49 54.94,49.21 54.94,51.23 54.94,53.39 59.26,53.39
DDR23_VTT_0V6 on TOP (solid shape): 63.52,105.44 65.65,105.44 65.74,105.38 65.73,105.27 65.61,105.09 65.57,104.87 66.18,104.26 66.79,104.87 66.76,105.09 66.64,105.27 66.63,105.38 66.72,105.44 67.24,105.44 67.78,105.11 68.33,105.44 69.45,105.44 69.54,105.38 69.53,105.27 69.41,105.09 69.37,104.87 69.98,104.26 70.59,104.87 70.56,105.09 70.44,105.27 70.43,105.38 70.52,105.44 71.04,105.44 71.58,105.11 72.13,105.44 75.05,105.44 75.14,105.38 75.12,105.27 75.01,105.09 74.97,104.87 75.58,104.26 76.19,104.87 76.15,105.09 76.04,105.27 76.03,105.38 76.12,105.44 76.64,105.44 77.18,105.11 77.73,105.44 78.85,105.44 78.94,105.38 78.92,105.27 78.81,105.09 78.77,104.87 79.38,104.26 79.99,104.87 79.95,105.09 79.84,105.27 79.83,105.38 79.92,105.44 80.44,105.44 80.58,105.26 80.78,105.15 80.81,105.14 80.81,104.21 79.01,102.41 74.14,102.41 74.14,102.41 73.02,102.41 73.02,102.41 64.75,102.41 64.75,102.41 64.11,102.41 63.2,103.33 56.67,103.33 55.17,104.83 55.17,105.31 55.17,105.31 55.17,106.68 55.18,106.69 62.27,106.69
DDR_VDD_0V8 on TOP (solid shape): 129.59,38.81 129.53,38.67 129.39,38.61 124.99,38.61 124.99,41.22 125.05,41.37 125.2,41.43 129.59,41.43
DDR_VDD_0V8 on ART05 (solid shape): outline of 2530 points within 125.07,33.88 160.4,42.62
DDR_VDD_0V8 on PWR07 (solid shape): outline of 26033 points within 150.83,36.86 176,125.35
DDR_VDD_0V8 on PWR07 (solid shape): outline of 26701 points within 99.95,39.8 128.22,125.35
DDR_VDD_0V8 on ART10 (solid shape): outline of 5022 points within 150.8,89.57 156.64,125.35
DDR_VDD_0V8 on ART10 (solid shape): outline of 5267 points within 119.3,88.98 125.14,125.35
DDR_VDD_0V8_H on TOP (solid shape): 127.66,33.98 127.13,33.98 127.13,30.88 124.13,30.88 124.13,33.98 123.6,33.98 123.6,35.76 127.66,35.76
DDR_VDD_0V8_H on TOP (solid shape): 127.66,36.98 127.66,35.36 123.6,35.36 123.6,35.99 124.26,35.99 124.26,37.11 124.44,37.29 124.99,37.85 126.8,37.85
DDR_VDD_0V8_H on BOTTOM (solid shape): 129.16,35.36 129.25,35.13 129.56,34.99 129.59,34.9 129.59,32.02 121.67,32.02 121.67,34.9 121.7,34.99 122.01,35.13 122.1,35.36 122.1,35.76 129.16,35.76
PHY0_REGOUT on ART10 (solid shape): outline of 612 points within 21.77,193.85 27.23,200.58
VQPS18 on ART05 (solid shape): outline of 718 points within 133.21,50.83 139.9,93.85
VQPS18_H on BOTTOM (solid shape): 137.52,50.32 136.19,50.32 136.09,50.36 136.06,50.46 136.06,50.49 135.98,50.69 135.78,50.77 135.66,50.76 135.66,50.9 136.35,51.59 137.52,51.59
N16776345 on TOP (solid shape): 180.36,191.76 179.71,191.76 179.71,189.86 176.71,189.86 176.71,191.76 176.06,191.76 176.06,195.22 180.36,195.22
N16776453 on TOP (solid shape): 170.3,191.76 169.65,191.76 169.65,189.86 166.65,189.86 166.65,191.76 166,191.76 166,195.22 170.3,195.22
N16776549 on TOP (solid shape): 160.24,191.76 159.59,191.76 159.59,189.86 156.59,189.86 156.59,191.76 155.94,191.76 155.94,195.22 160.24,195.22
N16779882 on TOP (solid shape): 150.18,191.76 149.53,191.76 149.53,189.86 146.53,189.86 146.53,191.76 145.88,191.76 145.88,195.22 150.18,195.22
N16779930 on TOP (solid shape): 140.12,191.76 139.47,191.76 139.47,189.86 136.47,189.86 136.47,191.76 135.82,191.76 135.82,195.22 140.12,195.22
N16779978 on TOP (solid shape): 130.06,191.76 129.41,191.76 129.41,189.86 126.41,189.86 126.41,191.76 125.76,191.76 125.76,195.22 130.06,195.22
N16782716 on TOP (solid shape): 99.89,191.76 99.24,191.76 99.24,189.86 96.24,189.86 96.24,191.76 95.59,191.76 95.59,195.22 99.89,195.22
N16782764 on TOP (solid shape): 127.13,23.58 127.78,23.58 127.78,21.32 123.48,21.32 123.48,23.58 124.13,23.58 124.13,26.68 127.13,26.68
N16782812 on TOP (solid shape): 120.01,191.76 119.36,191.76 119.36,189.86 116.36,189.86 116.36,191.76 115.71,191.76 115.71,195.22 120.01,195.22
N16782860 on TOP (solid shape): 109.95,191.76 109.3,191.76 109.3,189.86 106.3,189.86 106.3,191.76 105.65,191.76 105.65,195.22 109.95,195.22
N16807123 on TOP (solid shape): 288.72,239.57 288.72,235.99 287.45,235.99 287.06,236.38 287.06,237.34 287.06,237.39 287.09,237.5 287.19,237.54 287.41,237.54 287.41,238.15 286.34,238.15 286.34,238.22 286.36,238.29 286.37,238.35 286.29,238.57 286.09,238.68 286.03,238.69 286.03,238.87 286.59,238.87 286.59,239.75 288.54,239.75
N16807985 on TOP (solid shape): 217.67,61.2 218.07,61.2 219.02,60.25 219.79,60.25 219.79,59.74 219.02,59.74 219.02,56.54 214.71,56.54 214.71,58.7 214.71,59.64 215.11,60.05 215.17,60.09 215.21,60.15 216.27,61.2 217.17,61.2 217.17,61.2 217.67,61.2
N17231745 on BOTTOM (solid shape): 86.91,221.17 87.45,220.63 87.45,219.83 84.25,219.83 84.25,220.63 84.8,221.17 85.99,221.17
N17232516 on TOP (solid shape): 157.15,30.17 156.73,29.76 156.33,29.76 154.77,29.76 154.37,29.76 153.95,30.17 153.95,30.97 157.15,30.97
N17235288 on BOTTOM (solid shape): 157.15,30.17 156.73,29.76 156.33,29.76 154.77,29.76 154.37,29.76 153.95,30.17 153.95,30.97 157.15,30.97
N17284332 on BOTTOM (solid shape): 148.62,33.1 148.2,32.68 147.8,32.68 147.8,32.68 146.24,32.68 146.24,32.68 145.83,32.68 145.42,33.1 145.42,33.9 148.62,33.9
N17861973 on TOP (solid shape): 221.74,83.01 222.39,83.01 222.39,80.76 218.09,80.76 218.09,83.01 218.74,83.01 218.74,86.11 221.74,86.11
N17863856 on TOP (solid shape): 57.2,83.62 57.85,83.62 57.85,81.37 53.55,81.37 53.55,83.62 54.2,83.62 54.2,86.72 57.2,86.72
N17870866 on TOP (solid shape): 59.26,60.15 60.02,60.15 60.02,59.64 59.26,59.64 59.26,58.6 59.26,56.44 54.94,56.44 54.94,58.6 54.94,59.26 56.73,61.05 58.36,61.05
N17876523 on TOP (solid shape): 139.59,33.16 139.59,32.48 138.63,32.48 138.63,29.74 133.65,29.74 132.44,30.96 132.44,33.46 132.76,33.78 137.62,33.78 138.96,33.78
N18066431 on TOP (solid shape): 277.62,239.57 277.62,235.99 276.35,235.99 275.96,236.38 275.96,237.34 275.96,237.39 275.99,237.5 276.09,237.54 276.31,237.54 276.31,238.15 275.24,238.15 275.24,238.22 275.26,238.29 275.27,238.35 275.19,238.57 274.99,238.68 274.93,238.69 274.93,238.87 275.49,238.87 275.49,239.75 277.44,239.75
N18071511 on BOTTOM (solid shape): 101.03,221.17 101.57,220.63 101.57,219.83 98.37,219.83 98.37,220.63 98.92,221.17 100.11,221.17
N18537797 on TOP (solid shape): 145.29,223.32 145.29,222.52 142.09,222.52 142.09,223.32 142.63,223.86 143.55,223.86 143.55,223.86 144.74,223.86
N18587005 on TOP (solid shape): 266.52,239.57 266.52,235.99 265.25,235.99 264.86,236.38 264.86,237.34 264.86,237.39 264.89,237.5 264.99,237.54 265.21,237.54 265.21,238.15 264.14,238.15 264.14,238.22 264.16,238.29 264.17,238.35 264.09,238.57 263.89,238.68 263.83,238.69 263.83,238.87 264.39,238.87 264.39,239.75 266.34,239.75
N18866029 on TOP (solid shape): 265.63,147.23 262.13,147.23 262.13,153.52 265.63,153.52
N18866551 on TOP (solid shape): 265.63,139.4 262.13,139.4 262.13,145.69 265.63,145.69
N18867075 on TOP (solid shape): 219.68,193.1 217.56,190.98 216.18,190.98 216.18,197.27 219.68,197.27
N18867562 on TOP (solid shape): 219.68,185.2 216.18,185.2 216.18,189.37 218.3,191.49 219.68,191.49
N19740223 on TOP (solid shape): 176.11,11.85 172.66,11.85 172.26,12.24 172.26,13.51 176.11,13.51
N20196869 on TOP (solid shape): 31.19,106.56 28.63,106.56 28.63,109.74 29.28,110.39 31.19,110.39
N20206252 on TOP (solid shape): 276.17,39.06 275.79,38.68 273.99,38.68 273.61,39.07 273.61,42.24 276.17,42.24
N20209091 on TOP (solid shape): 235.53,39.06 235.15,38.68 233.35,38.68 232.97,39.07 232.97,42.24 235.53,42.24
N20953565 on TOP (solid shape): 234.97,193.1 232.85,190.98 231.47,190.98 231.47,197.27 234.97,197.27
N20953751 on TOP (solid shape): 234.97,185.2 231.47,185.2 231.47,189.37 233.59,191.49 234.97,191.49

Small or netless copper shapes (teardrops, artwork), in the pictures only: 5340 on TOP, 6572 on BOTTOM, 377 on ART03, 10 on ART05, 2 on PWR07, 245 on ART10

## Text on the board
BOTTOM: SG2042_EVB_V1_1  ARTWORK  12_BOTTOM
Package Geometry/Pastemask Bottom: SG2042_EVB_V1_1  ARTWORK  PASTEMASK_BOTTOM
Ref Des/Silkscreen Bottom: T28: DDR3_CAL_0 | T29: DDR3_ATB0 | T30: DDR3_ATB1 | T31: DDR3_PLL_TESTOUT_P | T32: DDR3_PLL_TESTOUT_N | T22: DDR2_CAL_0 | T23: DDR2_ATB0 | T24: DDR2_ATB1 | T25: DDR2_PLL_TESTOUT_P | T26: DDR2_PLL_TESTOUT_N | T10: DDR0_CAL_0 | T11: DDR0_ATB0 | T12: DDR0_ATB1 | T13: DDR0_PLL_TESTOUT_P | T14: DDR0_PLL_TESTOUT_N | T16: DDR1_CAL_0 | T17: DDR1_ATB0 | T18: DDR1_ATB1 | T19: DDR1_PLL_TESTOUT_P | T20: DDR1_PLL_TESTOUT_N | BGA_SE | BGA_NE | BGA_W | SG2042_EVB_V1_1  ARTWORK  SILKSCREEN_BOTTOM
User.Comments: SG2042_EVB_V1_1  ARTWORK  SOLDERMASK_BOTTOM | SG2042_EVB_V1_1  ARTWORK  SOLDERMASK_TOP
TOP: SG2042_EVB_V1_1  ARTWORK  01_TOP
Ref Des/Assembly Top: A1
Package Geometry/Pastemask Top: SG2042_EVB_V1_1  ARTWORK  PASTEMASK_TOP
